# Altium PCB Digital_Optical_18Tx_14Tx4Rx_3vxx.PcbDoc (part 2 of 2)
Units mil, origin at the board's own origin, x right, y up, seen from the top; angles counter-clockwise.
Board outline 6141.5 x 3937.01 mil, 2 copper layers (Top Layer, Bottom Layer); 183 components, 118 nets, 645 pads, 188 vias.
Unrouted connection lines stored in the file: 142.
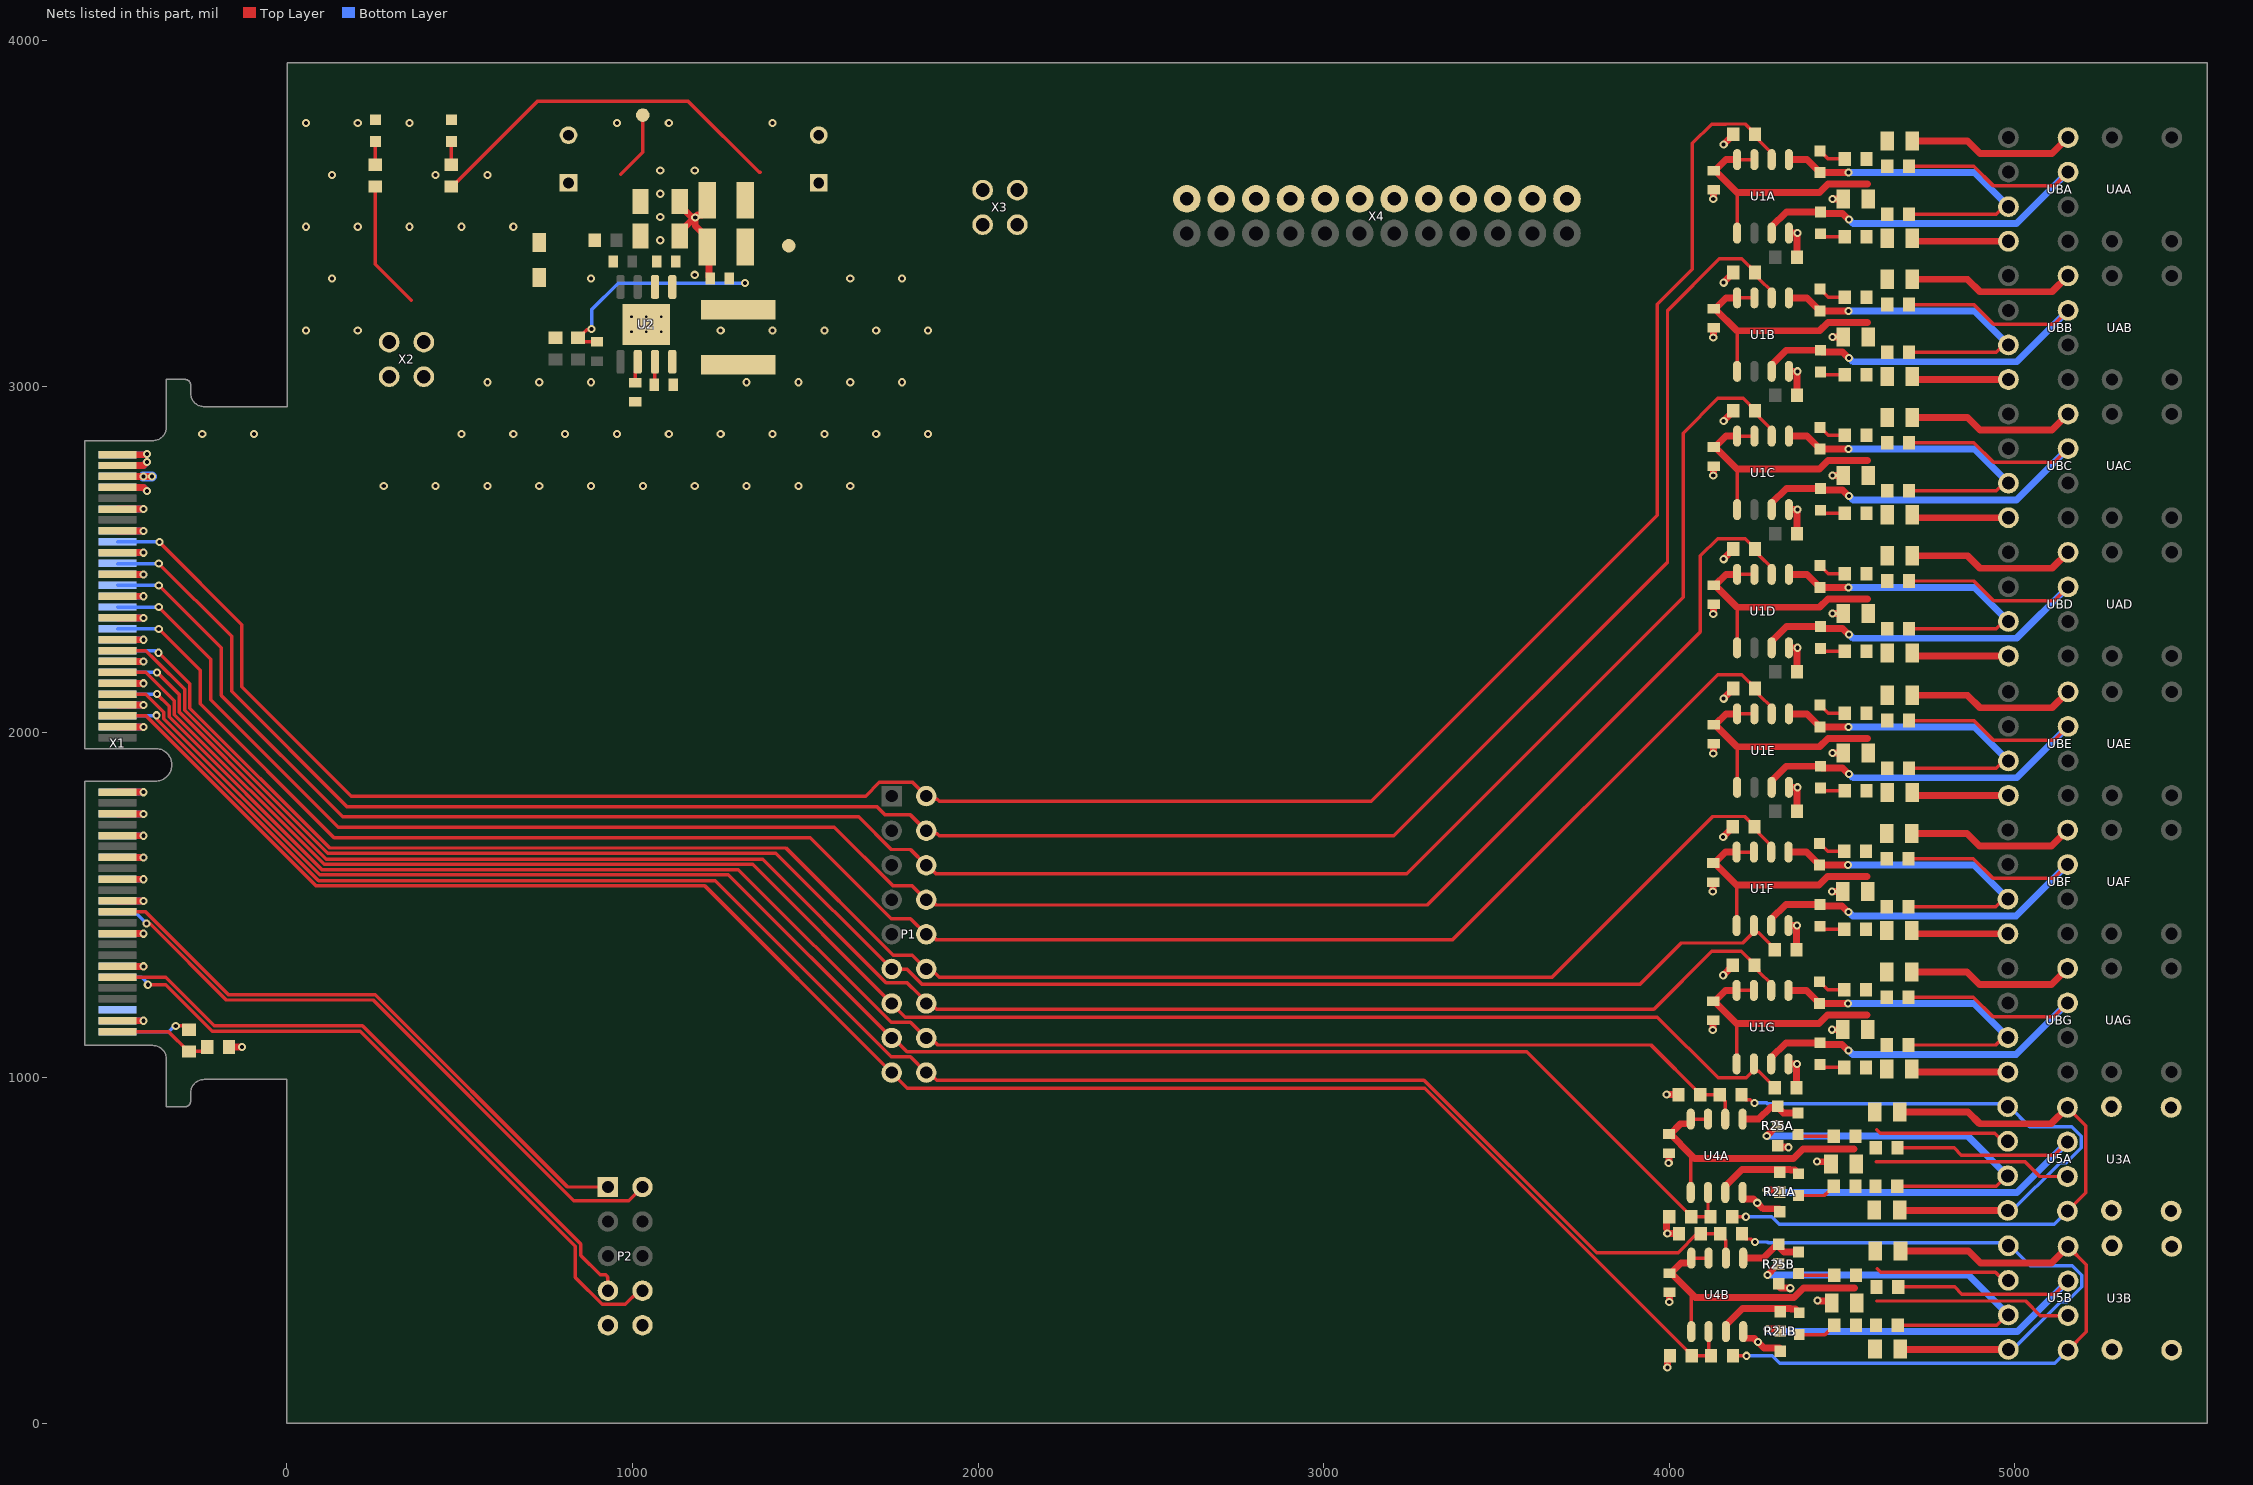
[diagram p2: the nets of this part, all layers, seen from the top]

## Via types
v1: diameter 23.62, hole 11.81, Top Layer to Bottom Layer, tented both sides, 182 vias
v2: diameter 17.72, hole 7.87, Top Layer to Bottom Layer, tented both sides, 6 vias

## Nets (pads, with @x,y where several pads share a name; then routed paths per layer and width w, separated by ;. In a path a pad name is that pad's centre, name@x,y a point inside that pad or via, vN(x,y) a via of type N, cw(c..) or ccw(c..) an arc to the next point about the centre after c; other vN are vias at no path point) (continued)
GATE_A6: P1.11 R8F.2 U1F.2 X1.37 | length 5336.1
  Top Layer w10: X1.37@-489.76,2235.87 -407.73,2235.87 -379.99,2208.13 -295.7,2123.84 -295.7,2063.41 117.87,1649.84 1415.16,1649.84 P1.11@1750,1315 1750.43,1314.57 1794.53,1314.57 1839.1,1270 3914.38,1270 4034.38,1390 4213.19,1390 4244.99,1421.8 U1F.2@4244.99,1425.49 ; U1F.2@4244.99,1440.5 U1F.2@4244.99,1425.49 ; R8F.2@4305.52,1370.94 4305.52,1372.91 4259.23,1419.2 4251.28,1419.2 U1F.2@4244.99,1425.49
GATE_A7: P1.13 R8G.2 U1G.2 X1.41 | length 5357
  Top Layer w10: X1.41@-489.76,2172.87 -488.78,2173.86 -408.59,2173.86 -325.7,2090.96 -325.7,2050.98 107.87,1617.41 1347.59,1617.41 P1.13@1750,1215 1789.53,1175.47 3965.53,1175.47 4141.33,999.68 4223.18,999.68 4244.99,1021.49 U1G.2@4244.99,1025.17 ; U1G.2@4244.99,1040.19 U1G.2@4244.99,1025.17 ; R8G.2@4305.52,970.63 4305.52,972.6 4259.23,1018.88 4251.28,1018.88 U1G.2@4244.99,1025.17
GATE_B1: P1.2 R10A.2 U1A.6 X1.18 | length 6676.8
  Top Layer w10: v1(-368.6,2550) -130,2311.4 -130,2131.06 186.06,1815 1675,1815 1714.53,1854.53 1810.47,1854.53 P1.2@1850,1815 1859.39,1805.61 1882.19,1805.61 1887.8,1800 3137.66,1800 3965,2627.34 3965,3237.76 4067.01,3339.77 4067.01,3704.16 4122.47,3759.62 4163.04,3759.62 4163.2,3759.78 4220.33,3759.78 4248.05,3732.06 R10A.2@4248.05,3730.09 4260.76,3717.38 4260.76,3711.11 4296.37,3675.5 U1A.6@4296.37,3656.8
  Bottom Layer w10: X1.18@-489.76,2550.83 -369.42,2550.83 v1(-368.6,2550)
GATE_B2: P1.4 R10B.2 U1B.6 X1.22 | length 6386.3
  Top Layer w10: v1(-370.65,2487.83) -160,2277.19 -160,2118.63 173.79,1784.84 1706.96,1784.84 1731.33,1760.47 1804.53,1760.47 1859.39,1705.61 1882.19,1705.61 1887.8,1700 3203.13,1700 3995,2491.87 3995,3220 4145,3370 4210.11,3370 4248.05,3332.06 R10B.2@4248.05,3330.09 4260.76,3317.38 4260.76,3311.11 4296.37,3275.5 U1B.6@4296.37,3256.8
  Bottom Layer w10: X1.22@-489.76,2487.83 v1(-370.65,2487.83)
GATE_B3: P1.6 R10C.2 U1C.6 X1.26 | length 6121.9
  Top Layer w10: v1(-370.65,2424.84) -190,2244.2 -190,2106.2 161.36,1754.84 1654.26,1754.84 1748.63,1660.47 1804.53,1660.47 P1.6@1850,1615 1853.27,1615 1878.27,1590 3240,1590 4040,2390 4040,2865 4140.86,2965.86 4214.25,2965.86 4248.05,2932.06 R10C.2@4248.05,2930.09 4260.76,2917.38 4260.76,2911.11 4296.37,2875.5 U1C.6@4296.37,2856.8
  Bottom Layer w10: X1.26@-489.76,2424.84 v1(-370.65,2424.84)
GATE_B4: P1.8 R10D.2 U1D.6 X1.30 | length 5838.4
  Top Layer w10: v1(-370.65,2361.85) -220,2211.2 -220,2093.78 148.94,1724.84 1584.26,1724.84 1754.1,1555 1810,1555 P1.8@1850,1515 1863.27,1515 1878.27,1500 3300,1500 4090,2290 4090,2510 4140,2560 4220.11,2560 4248.05,2532.06 R10D.2@4248.05,2530.09 4260.76,2517.38 4260.76,2511.11 4296.37,2475.5 U1D.6@4296.37,2456.8
  Bottom Layer w10: X1.30@-489.76,2361.85 v1(-370.65,2361.85)
GATE_B5: P1.10 R10E.2 U1E.6 X1.34 | length 5595.3
  Top Layer w10: v1(-370.65,2298.86) -250.7,2178.91 -250.7,2082.05 136.51,1694.84 1514.26,1694.84 1748.63,1460.47 1804.53,1460.47 P1.10@1850,1415 1863.27,1415 1878.27,1400 3373.7,1400 4140,2166.3 4210.11,2166.3 4248.05,2128.36 R10E.2@4248.05,2126.39 4260.76,2113.68 4260.76,2107.41 4296.37,2071.8 U1E.6@4296.37,2053.1
  Bottom Layer w10: X1.34@-489.76,2298.86 v1(-370.65,2298.86)
GATE_B6: P1.12 R10F.2 U1F.6 X1.38 | length 5468.7
  Top Layer w10: v1(-370.96,2229.94) -280.7,2139.68 -280.7,2069.62 124.08,1664.84 1444.26,1664.84 1754.1,1355 1810,1355 P1.12@1850,1315 1863.27,1315 1887.8,1290.47 3660.86,1290.47 4126.46,1756.08 4218.95,1756.08 4246.67,1728.36 R10F.2@4246.67,1726.39 4259.39,1713.68 4259.39,1707.41 4294.99,1671.8 U1F.6@4294.99,1653.1
  Bottom Layer w10: X1.38@-489.76,2235.87 -380.57,2235.87 -374.64,2229.94 v1(-370.96,2229.94)
GATE_B7: P1.14 R10G.2 U1G.6 X1.42 | length 5319.9
  Top Layer w10: v1(-375.58,2172.87) -310.7,2107.99 -310.7,2057.2 -36.75,1783.25 114.09,1632.41 1376.69,1632.41 1733.63,1275.47 1794.53,1275.47 1830,1240 ; P1.14@1850,1215 1863.27,1215 1879.88,1198.39 3955.84,1198.39 4123.43,1365.98 4208.73,1365.98 4246.67,1328.05 R10G.2@4246.67,1326.08 4259.39,1313.36 4259.39,1307.09 4294.99,1271.49 U1G.6@4294.99,1252.79
  Bottom Layer w10: X1.42@-489.76,2172.87 v1(-375.58,2172.87)
GND: C1A.2 C1B.2 C1C.2 C1D.2 C1E.2 C1F.2 C1G.2 C2A.2 C2B.2 C2C.2 C2D.2 C2E.2 C2F.2 C2G.2 C3.2 C5.2 C6.2 C7.2 C8A.2 C8B.2 C9A.2 C9B.2 C12.1 C13.1 C14.2 C15.1 C16.1 C17.1 D6.1 D7.1 P2.9 P2.10 R8A.1 R8B.1 R8C.1 R8D.1 R8E.1 R8F.1 R8G.1 R10A.1 R10B.1 R10C.1 R10D.1 R10E.1 R10F.1 R10G.1 R12.1 R16.1 R20A.1 R20B.1 R21A.3 R21B.3 R25A.3 R25B.3 R27A.1 R27B.1 U1A.4 U1B.4 U1C.4 U1D.4 U1E.4 U1F.4 U1G.4 U2.1 U2.9 U4A.4 U4B.4 X1.1 X1.2 X1.3 X1.4 X1.7 X1.8 X1.11 X1.12 X1.15 X1.16 X1.19 X1.20 X1.23 X1.24 X1.27 X1.28 X1.31 X1.32 X1.35 X1.36 X1.39 X1.40 X1.43 X1.44 X1.47 X1.48 X1.51 X1.52 X1.55 X1.56 X1.59 X1.60 X1.63 X1.64 X1.67 X1.68 X1.71 X1.72 X1.75 X1.76 X1.81 X1.82 X1.87 X1.88 X1.97 X1.98 X2.1 X2.2 X3.1 X3.2 X4.2 X4.4 X4.6 X4.8 X4.10 X4.12 X4.14 X4.16 X4.18 X4.20 X4.22 X4.24 | length 5946.7
  Top Layer w20: X1.97@-489.76,1165 v1(-415,1165) ; X1.87@-489.76,1322.48 v1(-415,1322.48) v1@-412.48,1322.48 ; X1.81@-489.76,1416.97 v1(-415,1416.97) ; X1.75@-489.76,1511.46 v1(-415,1511.46) ; X1.71@-489.76,1574.45 v1(-415,1574.45) ; X1.67@-489.76,1637.44 v1(-415,1637.44) ; X1.63@-489.76,1700.43 v1(-415,1700.43) ; X1.59@-489.76,1763.43 v1(-415,1763.43) ; X1.55@-489.76,1826.42 v1(-415,1826.42) ; X1.51@-489.76,2015.39 v1(-415,2015.39) ; X1.47@-489.76,2078.39 v1(-415,2078.39) ; X1.43@-489.76,2141.38 v1(-415,2141.38) ; X1.39@-489.76,2204.37 v1(-415,2204.37) ; X1.35@-489.76,2267.36 v1(-415,2267.36) ; X1.31@-489.76,2330.35 v1(-415,2330.35) ; X1.27@-489.76,2393.35 v1(-415,2393.35) ; X1.23@-489.76,2456.34 v1(-415,2456.34) ; X1.19@-489.76,2519.33 v1(-415,2519.33) ; X1.15@-489.76,2582.32 v1(-415,2582.32) ; X1.11@-489.76,2645.31 v1(-415,2645.31) ; X1.7@-489.76,2708.31 -415,2708.31 v1(-404.18,2697.49) ; X1.3@-489.76,2771.3 -415,2771.3 v1(-404.18,2782.11) ; X1.1@-489.76,2802.8 v1@-415,2802.8 ; R16.1@-167.36,1088.99 R16.1@-167.36,1088.99 v1@-130.04,1088.95 ; C12.1@1137.5,3435.57 1137.5,3447.58 1178.97,3489.05 1179.28,3489.05 1180.26,3490.03 v1@1180.26,3490.43 ; C13.1@1137.5,3535.57 1137.5,3523.56 1170.62,3490.43 v1@1180.26,3490.43 ; C16.1@1216.39,3539.28 1216.39,3511.72 1200.8,3496.13 1188.32,3496.13 1181.93,3489.74 v1@1180.95,3489.74 ; C15.1@1225.17,3312.56 1222.09,3315.63 1222.09,3397.91 C17.1@1216.39,3403.62 1216.39,3431.18 1181.65,3465.92 v1(1181.65,3489.05) v1@1180.95,3489.74 ; 3992.61,563.59 3992.61,590.15 R20A.1@4000.33,597.87 ; v1(3992.61,951.93) 3993.3,951.24 4025.97,951.24 R27A.1@4026.65,950.56 ; v1(3994.36,161.22) 3994.36,187.77 R20B.1@4002.08,195.49 ; v1(3994.36,549.55) 3995.05,548.87 4027.71,548.87 R27B.1@4028.4,548.18 ; v1(3998.36,753.38) 3998.73,753.75 3998.73,781.87 C9A.2@3999.1,782.24 ; v1(4000.11,351) 4000.47,351.37 4000.47,379.49 C9B.2@4000.84,379.86 ; v1(4125.88,1138.41) 4126.58,1139.1 4126.58,1165.18 C1G.2@4127.42,1166.02 ; v1(4125.88,1538.72) 4126.58,1539.42 4126.58,1565.49 C1F.2@4127.42,1566.33 ; v1(4127.26,1938.72) 4127.95,1939.42 4127.95,1965.49 C1E.2@4128.8,1966.33 ; v1(4127.26,2342.42) 4127.95,2343.12 4127.95,2369.19 C1D.2@4128.8,2370.03 ; v1(4127.26,2742.42) 4127.95,2743.12 4127.95,2769.19 C1C.2@4128.8,2770.03 ; v1(4127.26,3142.42) 4127.95,3143.12 4127.95,3169.19 C1B.2@4128.8,3170.03 ; v1(4127.26,3542.42) 4127.95,3543.12 4127.95,3569.19 C1A.2@4128.8,3570.03 ; v1(4156.12,1296.55) 4183.68,1324.11 R10G.1@4183.68,1326.08 ; v1(4156.12,1696.87) 4183.68,1724.42 R10F.1@4183.68,1726.39 ; v1(4157.5,2096.87) 4185.06,2124.43 R10E.1@4185.06,2126.39 ; v1(4157.5,2500.57) 4185.06,2528.13 R10D.1@4185.06,2530.09 ; v1(4157.5,2900.57) 4185.06,2928.13 R10C.1@4185.06,2930.09 ; v1(4157.5,3300.57) 4185.06,3328.13 R10B.1@4185.06,3330.09 ; v1(4157.5,3700.57) 4185.06,3728.13 R10A.1@4185.06,3730.09 ; U4A.4@4212.16,668.06 4212.16,650.34 4213.83,648.66 4243.25,648.66 4253.7,638.21 v1(4254.68,638.21) 4271.92,620.97 R21A.3@4317.17,620.97 ; U4B.4@4213.9,265.68 4213.9,247.96 4215.58,246.28 4244.99,246.28 4255.44,235.84 v1(4256.42,235.84) 4273.67,218.59 R21B.3@4318.91,218.59 ; R25A.3@4310.43,801.4 4312.32,799.52 4344.3,799.52 v1(4344.99,798.83) ; R25B.3@4318.91,394.76 4321.77,391.9 4349.46,391.9 v1(4350.15,391.2) ; U1G.4@4344.99,1040.19 v1(4369.89,1040.19) 4369.89,1039.21 4368.51,1037.83 R8G.1@4368.51,970.63 ; U1F.4@4344.99,1440.5 v1(4369.89,1440.5) 4369.89,1439.52 4368.51,1438.15 R8F.1@4368.51,1370.94 ; U1E.4@4346.37,1840.5 v1(4371.27,1840.5) 4371.27,1839.52 4369.89,1838.15 R8E.1@4369.89,1770.95 ; U1D.4@4346.37,2244.21 v1(4371.27,2244.21) 4371.27,2243.23 4369.89,2241.85 R8D.1@4369.89,2174.65 ; U1C.4@4346.37,2644.21 v1(4371.27,2644.21) 4371.27,2643.23 4369.89,2641.85 R8C.1@4369.89,2574.65 ; U1B.4@4346.37,3044.21 v1(4371.27,3044.21) 4371.27,3043.23 4369.89,3041.85 R8B.1@4369.89,2974.65 ; U1A.4@4346.37,3444.2 v1(4371.27,3444.2) 4371.27,3443.22 4369.89,3441.85 R8A.1@4369.89,3374.65 ; v1(4427.49,757.58) 4428.02,757.06 4467.57,757.06 C8A.2@4468.1,756.53 ; v1(4429.24,355.2) 4429.76,354.68 4469.32,354.68 C8B.2@4469.84,354.16 ; v1(4471.13,1139.1) C2G.2@4501.64,1139.1 ; v1(4471.13,1539.41) C2F.2@4501.64,1539.42 ; v1(4472.51,1939.42) C2E.2@4503.02,1939.42 ; v1(4472.51,2343.12) C2D.2@4503.02,2343.12 ; v1(4472.51,2743.12) C2C.2@4503.02,2743.12 ; v1(4472.51,3143.12) C2B.2@4503.02,3143.12 ; v1(4472.51,3543.12) C2A.2@4503.02,3543.12 ; v1@-130.04,1088.95 v1(-130,1088.91) ; v1@1180.26,3490.43 v1@1180.95,3489.74
  Bottom Layer w20: X1.98@-489.76,1165 v1(-415,1165) ; X1.88@-489.76,1322.48 v1(-415,1322.48) ; X1.82@-489.76,1416.97 v1(-415,1416.97) ; X1.76@-489.76,1511.46 v1(-415,1511.46) ; X1.72@-489.76,1574.45 v1(-415,1574.45) ; X1.68@-489.76,1637.44 v1(-415,1637.44) ; X1.64@-489.76,1700.43 v1(-415,1700.43) ; X1.60@-489.76,1763.43 v1(-415,1763.43) ; X1.56@-489.76,1826.42 v1(-415,1826.42) ; X1.52@-489.76,2015.39 v1(-415,2015.39) ; X1.48@-489.76,2078.39 v1(-415,2078.39) ; X1.44@-489.76,2141.38 v1(-415,2141.38) ; X1.40@-489.76,2204.37 v1(-415,2204.37) ; X1.36@-489.76,2267.36 v1(-415,2267.36) ; X1.32@-489.76,2330.35 v1(-415,2330.35) ; X1.28@-489.76,2393.35 v1(-415,2393.35) ; X1.24@-489.76,2456.34 v1(-415,2456.34) ; X1.20@-489.76,2519.33 v1(-415,2519.33) ; X1.16@-489.76,2582.32 v1(-415,2582.32) ; X1.12@-489.76,2645.31 v1(-415,2645.31) ; X1.8@-489.76,2708.31 -415,2708.31 v1(-404.18,2697.49) ; X1.4@-489.76,2771.3 -415,2771.3 v1(-404.18,2782.11) ; X1.2@-489.76,2802.8 -407.2,2802.8 v1(-405,2805)
  other v1: 280.28,2712.49 430.28,2712.49 580.28,2712.49 730.28,2712.49 880.28,2712.49 1030.28,2712.49 1180.28,2712.49 1330.28,2712.49 1480.28,2712.49 1630.28,2712.49 -244.72,2862.49 -94.72,2862.49 505.28,2862.49 655.28,2862.49 805.28,2862.49 955.28,2862.49 1105.28,2862.49 1255.28,2862.49 1405.28,2862.49 1555.28,2862.49 1705.28,2862.49 1855.28,2862.49 580.28,3012.49 730.28,3012.49 880.28,3012.49 1330.28,3012.49 1480.28,3012.49 1630.28,3012.49 1780.28,3012.49 55.28,3162.49 205.28,3162.49 1255.28,3162.49 1405.28,3162.49 1555.28,3162.49 1705.28,3162.49 1855.28,3162.49 130.28,3312.49 880.28,3312.49 1630.28,3312.49 1780.28,3312.49 1180.28,3323.39 1080.41,3423.3 55.28,3462.49 205.28,3462.49 355.28,3462.49 505.28,3462.49 655.28,3462.49 1080.41,3490.67 1080.41,3558.04 130.28,3612.49 430.28,3612.49 580.28,3612.49 1080.53,3625.41 1180.28,3625.41 55.28,3762.49 205.28,3762.49 355.28,3762.49 955.28,3762.49 1105.28,3762.49 1405.28,3762.49
  other v2: 996.98,3158.4 1040.29,3158.4 1083.6,3158.4 996.98,3201.71 1040.29,3201.71 1083.6,3201.71
I2C0_SCA: P2.8 X1.90 | length 1982.9
  Top Layer w10: v1(-402.33,1269.17) -350.88,1269.17 -278.2,1196.5 -277.65,1196.5 -216.15,1135 212.72,1135 835,512.72 835,422.1 912.63,344.47 979.47,344.47 1019,384 P2.8@1029,384
  Bottom Layer w10: X1.90@-489.76,1290.98 -419.65,1290.98 -404.94,1276.28 -404.94,1271.78 v1(-402.33,1269.17)
I2C0_SCL: P2.7 X1.89 | length 1837
  Top Layer w10: X1.89@-489.76,1290.98 -350.92,1290.98 -209.94,1150 218.93,1150 850,518.93 850,485.89 906.41,429.47 923.14,429.47 929,423.61 P2.7@929,384
NetC4_2: C4.2 U2.7 | length 67.2
  Top Layer w10: C4.2@1063.6,3005.31 1064.44,3006.16 1064.44,3070.94 U2.7@1065.29,3071.79
NetC7_1: C7.1 U2.6 | length 63.5
  Top Layer w10: C7.1@1008.29,3011.22 1008.29,3041.66 1015.29,3048.66 U2.6@1015.29,3071.79
NetD1A_1: D1A.1 R7A.1 U1A.3 UAA.2 | length 1470.2
  Top Layer w10: R7A.1@4693.5,3637.39 4881.37,3637.39 4938.26,3580.5 5114.13,3580.5 UAA.2@5154.13,3620.5
  Top Layer w20: U1A.3@4296.37,3444.2 4296.37,3462.91 4338.69,3505.23 D1A.1@4437.67,3505.23 4442.34,3500.56 4501.57,3500.56 4519.02,3483.11 v1(4520,3483.11)
  Bottom Layer w20: v1(4520,3483.11) 4520.98,3483.11 4532.33,3471.76 5005.39,3471.76 UAA.2@5154.13,3620.5
NetD1A_2: D1A.2 R1A.1 | length 73.7
  Top Layer w10: D1A.2@4437.67,3442.24 4446.06,3433.85 R1A.1@4507.94,3433.85
NetD1B_1: D1B.1 R7B.1 U1B.3 UAB.2 | length 1470.2
  Top Layer w10: R7B.1@4693.5,3237.39 4881.37,3237.39 4938.26,3180.5 5114.13,3180.5 UAB.2@5154.13,3220.5
  Top Layer w20: U1B.3@4296.37,3044.21 4296.37,3062.91 4338.69,3105.23 D1B.1@4437.67,3105.23 4442.34,3100.56 4501.57,3100.56 4519.02,3083.11 v1(4520,3083.11)
  Bottom Layer w20: v1(4520,3083.11) 4520.98,3083.11 4532.33,3071.76 5005.39,3071.76 UAB.2@5154.13,3220.5
NetD1B_2: D1B.2 R1B.1 | length 73.7
  Top Layer w10: D1B.2@4437.67,3042.24 4446.06,3033.85 R1B.1@4507.94,3033.85
NetD1C_1: D1C.1 R7C.1 U1C.3 UAC.2 | length 1470.2
  Top Layer w10: R7C.1@4693.5,2837.39 4881.37,2837.39 4938.26,2780.5 5114.13,2780.5 UAC.2@5154.13,2820.5
  Top Layer w20: U1C.3@4296.37,2644.21 4296.37,2662.91 4338.69,2705.23 D1C.1@4437.67,2705.23 4442.34,2700.56 4501.57,2700.56 4519.02,2683.11 v1(4520,2683.11)
  Bottom Layer w20: v1(4520,2683.11) 4520.98,2683.11 4532.33,2671.76 5005.39,2671.76 UAC.2@5154.13,2820.5
NetD1C_2: D1C.2 R1C.1 | length 73.7
  Top Layer w10: D1C.2@4437.67,2642.24 4446.06,2633.85 R1C.1@4507.94,2633.85
NetD1D_1: D1D.1 R7D.1 U1D.3 UAD.2 | length 1470.2
  Top Layer w10: R7D.1@4693.5,2437.39 4881.37,2437.39 4938.26,2380.5 5114.13,2380.5 UAD.2@5154.13,2420.5
  Top Layer w20: U1D.3@4296.37,2244.21 4296.37,2262.91 4338.69,2305.23 D1D.1@4437.67,2305.23 4442.34,2300.56 4501.57,2300.56 4519.02,2283.11 v1(4520,2283.11)
  Bottom Layer w20: v1(4520,2283.11) 4520.98,2283.11 4532.33,2271.76 5005.39,2271.76 UAD.2@5154.13,2420.5
NetD1D_2: D1D.2 R1D.1 | length 73.7
  Top Layer w10: D1D.2@4437.67,2242.24 4446.06,2233.85 R1D.1@4507.94,2233.85
NetD1E_1: D1E.1 R7E.1 U1E.3 UAE.2 | length 1470.2
  Top Layer w10: R7E.1@4693.5,2033.69 4881.37,2033.69 4938.26,1976.8 5114.13,1976.8 UAE.2@5154.13,2016.8
  Top Layer w20: U1E.3@4296.37,1840.5 4296.37,1859.21 4338.69,1901.53 D1E.1@4437.67,1901.53 4442.34,1896.86 4501.57,1896.86 4519.02,1879.41 v1(4520,1879.41)
  Bottom Layer w20: v1(4520,1879.41) 4520.98,1879.41 4532.33,1868.06 5005.39,1868.06 UAE.2@5154.13,2016.8
NetD1E_2: D1E.2 R1E.1 | length 73.7
  Top Layer w10: D1E.2@4437.67,1838.54 4446.06,1830.15 R1E.1@4507.94,1830.15
NetD1F_1: D1F.1 R7F.1 U1F.3 UAF.2 | length 1470.2
  Top Layer w10: R7F.1@4692.13,1633.69 4880,1633.69 4936.89,1576.8 5112.75,1576.8 UAF.2@5152.75,1616.8
  Top Layer w20: U1F.3@4294.99,1440.5 4294.99,1459.2 4337.31,1501.53 D1F.1@4436.29,1501.53 4440.96,1496.86 4500.2,1496.86 4517.64,1479.41 v1(4518.62,1479.41)
  Bottom Layer w20: v1(4518.62,1479.41) 4519.6,1479.41 4530.95,1468.06 5004.01,1468.06 UAF.2@5152.75,1616.8
NetD1F_2: D1F.2 R1F.1 | length 73.7
  Top Layer w10: D1F.2@4436.29,1438.54 4444.68,1430.15 R1F.1@4506.56,1430.15
NetD1G_1: D1G.1 R7G.1 U1G.3 UAG.2 | length 1470.2
  Top Layer w10: R7G.1@4692.13,1233.38 4880,1233.38 4936.89,1176.49 5112.75,1176.49 UAG.2@5152.75,1216.49
  Top Layer w20: U1G.3@4294.99,1040.19 4294.99,1058.89 4337.31,1101.21 D1G.1@4436.29,1101.21 4440.96,1096.54 4500.2,1096.54 4517.64,1079.1 v1(4518.62,1079.1)
  Bottom Layer w20: v1(4518.62,1079.1) 4519.6,1079.1 4530.95,1067.75 5004.01,1067.75 UAG.2@5152.75,1216.49
NetD1G_2: D1G.2 R1G.1 | length 73.7
  Top Layer w10: D1G.2@4436.29,1038.22 4444.68,1029.83 R1G.1@4506.56,1029.83
NetD2A_1: D2A.1 R9A.1 U1A.5 UBA.2 | length 988.3
  Top Layer w10: R9A.1@4693.5,3498.85 4946.19,3498.85 4967.84,3520.5 UBA.2@4981.37,3520.5
  Top Layer w20: U1A.5@4346.37,3656.8 4398.57,3656.8 D2A.1@4436.37,3619.01 v1(4519.02,3619.01)
  Bottom Layer w20: v1(4519.02,3619.01) 4882.87,3619.01 UBA.2@4981.37,3520.5
NetD2A_2: D2A.2 R3A.2 | length 81.3
  Top Layer w10: D2A.2@4436.37,3682 4459.75,3658.62 R3A.2@4507.94,3658.62
NetD2B_1: D2B.1 R9B.1 U1B.5 UBB.2 | length 988.3
  Top Layer w10: R9B.1@4693.5,3098.85 4946.19,3098.85 4967.84,3120.5 UBB.2@4981.37,3120.5
  Top Layer w20: U1B.5@4346.37,3256.8 4398.57,3256.8 D2B.1@4436.37,3219.01 v1(4519.02,3219.01)
  Bottom Layer w20: v1(4519.02,3219.01) 4882.87,3219.01 UBB.2@4981.37,3120.5
NetD2B_2: D2B.2 R3B.2 | length 81.3
  Top Layer w10: D2B.2@4436.37,3282 4459.75,3258.62 R3B.2@4507.94,3258.62
NetD2C_1: D2C.1 R9C.1 U1C.5 UBC.2 | length 988.3
  Top Layer w10: R9C.1@4693.5,2698.85 4946.19,2698.85 4967.84,2720.5 UBC.2@4981.37,2720.5
  Top Layer w20: U1C.5@4346.37,2856.8 4398.57,2856.8 D2C.1@4436.37,2819.01 v1(4519.02,2819.01)
  Bottom Layer w20: v1(4519.02,2819.01) 4882.87,2819.01 UBC.2@4981.37,2720.5
NetD2C_2: D2C.2 R3C.2 | length 81.3
  Top Layer w10: D2C.2@4436.37,2882 4459.75,2858.62 R3C.2@4507.94,2858.62
NetD2D_1: D2D.1 R9D.1 U1D.5 UBD.2 | length 988.3
  Top Layer w10: R9D.1@4693.5,2298.85 4946.19,2298.85 4967.84,2320.5 UBD.2@4981.37,2320.5
  Top Layer w20: U1D.5@4346.37,2456.8 4398.57,2456.8 D2D.1@4436.37,2419.01 v1(4519.02,2419.01)
  Bottom Layer w20: v1(4519.02,2419.01) 4882.87,2419.01 UBD.2@4981.37,2320.5
NetD2D_2: D2D.2 R3D.2 | length 81.3
  Top Layer w10: D2D.2@4436.37,2482 4459.75,2458.62 R3D.2@4507.94,2458.62
NetD2E_1: D2E.1 R9E.1 U1E.5 UBE.2 | length 988.3
  Top Layer w10: R9E.1@4693.5,1895.15 4946.19,1895.15 4967.84,1916.8 UBE.2@4981.37,1916.8
  Top Layer w20: U1E.5@4346.37,2053.1 4398.57,2053.1 D2E.1@4436.37,2015.31 v1(4519.02,2015.31)
  Bottom Layer w20: v1(4519.02,2015.31) 4882.87,2015.31 UBE.2@4981.37,1916.8
NetD2E_2: D2E.2 R3E.2 | length 81.3
  Top Layer w10: D2E.2@4436.37,2078.3 4459.75,2054.92 R3E.2@4507.94,2054.92
NetD2F_1: D2F.1 R9F.1 U1F.5 UBF.2 | length 988.3
  Top Layer w10: R9F.1@4692.13,1495.15 4944.81,1495.15 4966.47,1516.8 UBF.2@4980,1516.8
  Top Layer w20: U1F.5@4344.99,1653.1 4397.2,1653.1 D2F.1@4434.99,1615.31 v1(4517.64,1615.31)
  Bottom Layer w20: v1(4517.64,1615.31) 4881.49,1615.31 UBF.2@4980,1516.8
NetD2F_2: D2F.2 R3F.2 | length 81.3
  Top Layer w10: D2F.2@4434.99,1678.3 4458.37,1654.92 R3F.2@4506.56,1654.92
NetD2G_1: D2G.1 R9G.1 U1G.5 UBG.2 | length 988.3
  Top Layer w10: R9G.1@4692.13,1094.83 4944.81,1094.83 4966.47,1116.49 UBG.2@4980,1116.49
  Top Layer w20: U1G.5@4344.99,1252.79 4397.2,1252.79 D2G.1@4434.99,1214.99 v1(4517.64,1214.99)
  Bottom Layer w20: v1(4517.64,1214.99) 4881.49,1214.99 UBG.2@4980,1116.49
NetD2G_2: D2G.2 R3G.2 | length 81.3
  Top Layer w10: D2G.2@4434.99,1277.98 4458.37,1254.6 R3G.2@4506.56,1254.6
NetD3A_1: D3A.1 R21A.1 U4A.3 | length 256.4
  Top Layer w20: U4A.3@4162.16,668.06 4162.16,686.76 4210.54,735.14 4317.17,735.14 4348.9,735.14 4350.92,733.12 4363.8,733.12 D3A.1@4374.54,722.37
NetD3A_2: D3A.2 R11A.2 | length 113.8
  Top Layer w10: D3A.2@4374.54,659.38 4448.99,659.38 4461.28,671.67 4463.25,671.67 4475.97,684.39 R11A.2@4475.97,686.35
NetD3B_1: D3B.1 R21B.1 U4B.3 | length 256.4
  Top Layer w20: U4B.3@4163.9,265.68 4163.9,284.38 4212.29,332.76 4318.91,332.76 4350.64,332.76 4352.67,330.74 4365.54,330.74 D3B.1@4376.29,319.99
NetD3B_2: D3B.2 R11B.2 | length 113.8
  Top Layer w10: D3B.2@4376.29,257 4450.74,257 4463.03,269.29 4465,269.29 4477.71,282.01 R11B.2@4477.71,283.98
NetD4A_1: D4A.1 R25A.1 U4A.5 | length 182.4
  Top Layer w20: U4A.5@4212.16,880.65 4258.93,880.65 4292.85,914.58 4310.43,914.58 R25A.1@4317.17,921.31 ; R25A.1@4317.17,911.31 4329.94,898.54 D4A.1@4372.4,898.54
NetD4A_2: D4A.2 R22A.2 | length 105.3
  Top Layer w10: D4A.2@4372.4,835.54 4376.64,831.31 R22A.2@4475.97,831.31
NetD4B_1: D4B.1 R25B.1 U4B.5 | length 182.4
  Top Layer w20: U4B.5@4213.9,478.28 4272.51,478.28 4306.43,512.2 4312.18,512.2 R25B.1@4318.91,518.93 ; R25B.1@4318.91,508.93 4331.68,496.16 D4B.1@4374.15,496.16
NetD4B_2: D4B.2 R22B.2 | length 105.3
  Top Layer w10: D4B.2@4374.15,433.17 4378.38,428.93 R22B.2@4477.71,428.93
NetD6_2: D6.2 R17.1 | length 67
  Top Layer w10: R17.1@256.24,3642 D6.2@256.24,3709.01
NetD7_2: D7.2 R18.1 | length 67
  Top Layer w10: R18.1@476.24,3642 D7.2@476.24,3709.01
NetR2A_2: R2A.2 UAA.1 | length 484.8
  Top Layer w20: R2A.2@4703.44,3710.5 4863.03,3710.5 4899.17,3674.37 5107.99,3674.37 UAA.1@5154.13,3720.5
NetR2B_2: R2B.2 UAB.1 | length 484.8
  Top Layer w20: R2B.2@4703.44,3310.5 4863.03,3310.5 4899.17,3274.37 5107.99,3274.37 UAB.1@5154.13,3320.5
NetR2C_2: R2C.2 UAC.1 | length 484.8
  Top Layer w20: R2C.2@4703.44,2910.5 4863.03,2910.5 4899.17,2874.37 5107.99,2874.37 UAC.1@5154.13,2920.5
NetR2D_2: R2D.2 UAD.1 | length 484.8
  Top Layer w20: R2D.2@4703.44,2510.5 4863.03,2510.5 4899.17,2474.37 5107.99,2474.37 UAD.1@5154.13,2520.5
NetR2E_2: R2E.2 UAE.1 | length 484.8
  Top Layer w20: R2E.2@4703.44,2106.8 4863.03,2106.8 4899.17,2070.67 5107.99,2070.67 UAE.1@5154.13,2116.8
NetR2F_2: R2F.2 UAF.1 | length 484.8
  Top Layer w20: R2F.2@4702.06,1706.8 4861.66,1706.8 4897.79,1670.67 5106.61,1670.67 UAF.1@5152.75,1716.8
NetR2G_2: R2G.2 UAG.1 | length 484.8
  Top Layer w20: R2G.2@4702.06,1306.49 4861.66,1306.49 4897.79,1270.35 5106.61,1270.35 UAG.1@5152.75,1316.49
NetR4A_2: R4A.2 UBA.1 | length 274
  Top Layer w20: R4A.2@4703.44,3429.2 4712.14,3420.5 UBA.1@4973.8,3420.5
NetR4B_2: R4B.2 UBB.1 | length 274
  Top Layer w20: R4B.2@4703.44,3029.2 4712.14,3020.5 UBB.1@4973.8,3020.5
NetR4C_2: R4C.2 UBC.1 | length 274
  Top Layer w20: R4C.2@4703.44,2629.2 4712.14,2620.5 UBC.1@4973.8,2620.5
NetR4D_2: R4D.2 UBD.1 | length 274
  Top Layer w20: R4D.2@4703.44,2229.2 4712.14,2220.5 UBD.1@4973.8,2220.5
NetR4E_2: R4E.2 UBE.1 | length 274
  Top Layer w20: R4E.2@4703.44,1825.5 4712.14,1816.8 UBE.1@4973.8,1816.8
NetR4F_2: R4F.2 UBF.1 | length 274
  Top Layer w20: R4F.2@4702.06,1425.5 4710.76,1416.8 UBF.1@4972.42,1416.8
NetR4G_2: R4G.2 UBG.1 | length 274
  Top Layer w20: R4G.2@4702.06,1025.19 4710.76,1016.49 UBG.1@4972.42,1016.49
NetR13A_2: R13A.2 R14A.1 U3A.1 U3A.4 | length 1856.8
  Top Layer w10: R14A.1@4182.38,597.87 v1(4221.59,597.87) ; U3A.4@5152.16,614.31 5205,667.15 5205,861.47 U3A.1@5152.16,914.31
  Top Layer w20: R13A.2@4667.46,901.31 4864.06,901.31 4898.41,866.95 5104.8,866.95 U3A.1@5152.16,914.31
  Bottom Layer w10: v1(4221.59,597.87) 4296.59,597.87 4318.15,576.31 5114.16,576.31 U3A.4@5152.16,614.31
NetR13B_2: R13B.2 R14B.1 U3B.1 U3B.4 | length 1856.8
  Top Layer w10: R14B.1@4184.12,195.49 v1(4223.33,195.49) ; U3B.4@5153.9,211.93 5206.74,264.77 5206.74,459.09 U3B.1@5153.9,511.93
  Top Layer w20: R13B.2@4669.2,498.93 4865.8,498.93 4900.16,464.58 5106.55,464.58 U3B.1@5153.9,511.93
  Bottom Layer w10: v1(4223.33,195.49) 4298.33,195.49 4319.9,173.93 5115.9,173.93 U3B.4@5153.9,211.93
NetR15_1: R15.1 R16.2 X1.99 | length 288.5
  Top Layer w10: X1.99@-489.76,1133.5 -342.35,1133.5 -285.04,1076.2 R15.1@-283.08,1076.2 -243.07,1076.2 -230.35,1088.91 R16.2@-230.35,1088.99
NetR19A_1: R19A.1 R21A.2 U3A.2 | length 1485.2
  Top Layer w10: R21A.2@4314.21,675.1 R21A.2@4317.17,678.06 ; R19A.1@4660.63,797.13 4824.25,797.13 4845.07,776.31 5114.16,776.31 U3A.2@5152.16,814.31
  Top Layer w20: v1(4282.16,675.1) R21A.2@4314.21,675.1
  Bottom Layer w20: v1(4282.16,675.1) 4283.14,675.1 4289.7,668.54 5006.39,668.54 U3A.2@5152.16,814.31
NetR19B_1: R19B.1 R21B.2 U3B.2 | length 1485.2
  Top Layer w10: R21B.2@4315.95,272.72 R21B.2@4318.91,275.68 ; R19B.1@4662.37,394.76 4825.99,394.76 4846.82,373.93 5115.9,373.93 U3B.2@5153.9,411.93
  Top Layer w20: v1(4283.91,272.72) R21B.2@4315.95,272.72
  Bottom Layer w20: v1(4283.91,272.72) 4284.89,272.72 4291.45,266.16 5008.14,266.16 U3B.2@5153.9,411.93
NetR23A_2: R23A.2 R26A.1 U5A.1 U5A.4 | length 1668.6
  Top Layer w10: R26A.1@4208.87,950.56 4208.87,948.59 4221.59,935.88 4234.18,935.88 4242.84,927.22 v1(4246.53,927.22) ; R23A.2@4666.47,617.87 R23A.2@4668.03,616.31
  Top Layer w20: R23A.2@4668.03,616.31 U5A.1@4979.41,616.31
  Bottom Layer w10: v1(4246.53,927.22) 4281.53,927.22 4284.13,924.61 4971.1,924.61 U5A.4@4979.41,916.31 4984.92,916.31 5042.52,858.7 5164.33,858.7 5192.16,830.88 5192.16,797.74 5148.73,754.31 5130.79,754.31 4992.79,616.31 U5A.1@4979.41,616.31
NetR23B_2: R23B.2 R26B.1 U5B.1 U5B.4 | length 1668.6
  Top Layer w10: R26B.1@4210.62,548.18 4210.62,546.21 4223.33,533.5 4235.93,533.5 4244.59,524.84 v1(4248.27,524.84) ; R23B.2@4668.22,215.49 R23B.2@4669.78,213.93
  Top Layer w20: R23B.2@4669.78,213.93 U5B.1@4981.15,213.93
  Bottom Layer w10: v1(4248.27,524.84) 4283.27,524.84 4285.88,522.23 4972.85,522.23 U5B.4@4981.15,513.93 4986.66,513.93 5044.27,456.32 5166.08,456.32 5193.9,428.5 5193.9,395.36 5150.47,351.93 5132.54,351.93 4994.54,213.93 U5B.1@4981.15,213.93
NetR24A_1: R24A.1 R25A.2 U5A.2 | length 1125.7
  Top Layer w10: R24A.1@4659.58,686.35 4945.72,686.35 4975.67,716.31 U5A.2@4979.41,716.31
  Top Layer w20: v1(4282.16,831.98) 4307.67,857.49 4310.43,857.49 R25A.2@4317.17,864.22
  Bottom Layer w20: v1(4282.16,831.98) 4863.73,831.98 U5A.2@4979.41,716.31
NetR24B_1: R24B.1 R25B.2 U5B.2 | length 1125.7
  Top Layer w10: R24B.1@4661.33,283.98 4947.46,283.98 4977.42,313.93 U5B.2@4981.15,313.93
  Top Layer w20: v1(4283.91,429.6) 4309.41,455.11 4312.18,455.11 R25B.2@4318.91,461.84
  Bottom Layer w20: v1(4283.91,429.6) 4865.48,429.6 U5B.2@4981.15,313.93
NetU3A_5: U3A.5
NetU3A_8: U3A.8
NetU3B_5: U3B.5
NetU3B_8: U3B.8
NetU5A_5: U5A.5
NetU5A_8: U5A.8
NetU5B_5: U5B.5
NetU5B_8: U5B.8
NetX1_96: X1.96
PILOT_IN: R15.2 X1.100 | length 218
  Top Layer w10: v1(-321.38,1150) -293.89,1150 R15.2@-283.08,1139.19
  Bottom Layer w10: X1.100@-489.76,1133.5 -341.56,1133.5 -325.06,1150 v1(-321.38,1150)
PS_DIG_GPIO_01: P2.1 X1.77 | length 1748.5
  Top Layer w10: X1.77@-489.76,1479.96 -408.89,1479.96 -168.93,1240 256.21,1240 812.21,684 P2.1@929,684
PS_DIG_GPIO_02: P2.2 X1.78 | length 1881.2
  Top Layer w10: v1(-406.5,1446.72) -403.89,1444.11 -394.26,1444.11 -175.15,1225 250,1225 830.53,644.47 989.47,644.47 P2.2@1029,684
  Bottom Layer w10: X1.78@-489.76,1479.96 -484.29,1474.49 -434.27,1474.49 v1(-406.5,1446.72)
Signal_A1: P1.15 R14A.2 R20A.2 U4A.2 X1.45 | length 5316.1
  Top Layer w10: X1.45@-489.76,2109.88 -407.76,2109.88 -355.7,2057.82 -355.7,2038.56 95.45,1587.41 1277.59,1587.41 P1.15@1750,1115 ; P1.15@1755,1115 1794.53,1075.47 3587.69,1075.47 4063.32,599.83 R20A.2@4063.32,597.87 R14A.2@4119.39,597.87 4112.16,605.1 U4A.2@4112.16,668.06
Signal_A2: P1.17 R14B.2 R20B.2 U4B.2 X1.49 | length 5452.1
  Top Layer w10: X1.49@-489.76,2046.89 -406.46,2046.89 85.43,1555 1210,1555 P1.17@1750,1015 1795,970 3292.53,970 4065.07,197.46 R20B.2@4065.07,195.49 R14B.2@4121.13,195.49 4113.9,202.72 U4B.2@4113.9,265.68
Signal_B1: P1.16 R26A.2 R27A.2 U4A.6 X1.46 | length 5211.5
  Top Layer w10: v1(-375.58,2110) -340.7,2075.12 -340.7,2044.77 101.66,1602.41 1306.69,1602.41 1748.63,1160.47 1804.53,1160.47 P1.16@1850,1115 1863.27,1115 1883.44,1094.83 3947.34,1094.83 4089.65,952.52 R27A.2@4089.65,950.56 R26A.2@4145.88,950.56 4145.88,948.59 4162.16,932.32 U4A.6@4162.16,880.65
  Bottom Layer w10: X1.46@-489.76,2109.88 -375.7,2109.88 v1(-375.58,2110)
Signal_B2: P1.18 R26B.2 R27B.2 U4B.6 X1.50 | length 5387.2
  Top Layer w10: v1(-377.51,2048.79) -374.9,2046.18 -374.9,2036.55 91.65,1570 1239.1,1570 1748.63,1060.47 1804.53,1060.47 P1.18@1850,1015 1858.71,1015 1880.39,993.33 3290.41,993.33 3790.03,493.71 4025.48,493.71 4079.95,548.18 R27B.2@4091.39,548.18 R26B.2@4147.63,548.18 4147.63,546.21 4163.9,529.94 U4B.6@4163.9,478.28
  Bottom Layer w10: X1.50@-489.76,2046.89 -488.82,2047.84 -378.46,2047.84 v1(-377.51,2048.79)
SW: C4.1 L2.1 U2.8
VCC: C1A.1 C1B.1 C1C.1 C1D.1 C1E.1 C1F.1 C1G.1 C2A.1 C2B.1 C2C.1 C2D.1 C2E.1 C2F.1 C2G.1 C3.1 C8A.1 C8B.1 C9A.1 C9B.1 C11.2 C15.2 C16.2 C17.2 L2.2 R1A.2 R1B.2 R1C.2 R1D.2 R1E.2 R1F.2 R1G.2 R2A.1 R2B.1 R2C.1 R2D.1 R2E.1 R2F.1 R2G.1 R3A.1 R3B.1 R3C.1 R3D.1 R3E.1 R3F.1 R3G.1 R4A.1 R4B.1 R4C.1 R4D.1 R4E.1 R4F.1 R4G.1 R6.2 R7A.2 R7B.2 R7C.2 R7D.2 R7E.2 R7F.2 R7G.2 R9A.2 R9B.2 R9C.2 R9D.2 R9E.2 R9F.2 R9G.2 R11A.1 R11B.1 R13A.1 R13B.1 R18.2 R19A.2 R19B.2 R22A.1 R22B.1 R23A.1 R23B.1 R24A.2 R24B.2 TP9.1 U1A.1 U1A.7 U1A.8 U1B.1 U1B.7 U1B.8 U1C.1 U1C.7 U1C.8 U1D.1 U1D.7 U1D.8 U1E.1 U1E.7 U1E.8 U1F.1 U1F.7 U1F.8 U1G.1 U1G.7 U1G.8 U3A.3 U3B.3 U4A.1 U4A.7 U4A.8 U4B.1 U4B.7 U4B.8 U5A.3 U5B.3 X3.3 X3.4 | length 10361.4
  Top Layer w10: R18.2@476.24,3579.01 478.2,3579.01 724.2,3825 1161.51,3825 1366.51,3620 1370,3620 ; R6.2@842.42,3141.02 R6.2@844.39,3141.02 ; v1(881.61,3166.57) 879,3163.97 867.33,3163.97 R6.2@844.39,3141.02 ; C11.2@897.36,3129.06 856.35,3129.06 R6.2@844.39,3141.02 ; C9A.1@3999.1,837.35 C9A.1@4003.03,837.35 ; C9B.1@4000.84,434.98 C9B.1@4004.78,434.98 ; U4A.8@4055.87,866.95 4062.16,873.25 U4A.8@4062.16,880.65 U4A.7@4112.16,880.65 ; U4B.8@4057.61,464.58 4063.9,470.87 U4B.8@4063.9,478.28 U4B.7@4113.9,478.28 ; U4A.1@4062.16,668.06 4062.16,778.23 ; U4B.1@4063.9,265.68 4063.9,375.85 ; C1G.1@4127.42,1221.13 C1G.1@4131.35,1221.13 ; C1F.1@4127.42,1621.45 C1F.1@4131.35,1621.45 ; C1E.1@4128.8,2021.45 C1E.1@4132.73,2021.45 ; C1D.1@4128.8,2425.15 C1D.1@4132.73,2425.15 ; C1C.1@4128.8,2825.15 C1C.1@4132.73,2825.15 ; C1B.1@4128.8,3225.15 C1B.1@4132.73,3225.15 ; C1A.1@4128.8,3625.15 C1A.1@4132.73,3625.15 ; U1G.1@4194.99,1040.19 4194.99,1157.5 ; U1G.8@4194.99,1252.79 U1G.7@4244.99,1252.79 ; U1F.1@4194.99,1440.5 4194.99,1557.81 ; U1F.8@4194.99,1653.1 U1F.7@4244.99,1653.1 ; U1E.1@4196.37,1840.5 4196.37,1957.81 ; U1E.8@4196.37,2053.1 U1E.7@4246.37,2053.1 ; U1D.1@4196.37,2244.21 4196.37,2361.51 ; U1D.8@4196.37,2456.8 U1D.7@4246.37,2456.8 ; U1C.1@4196.37,2644.21 4196.37,2761.51 ; U1C.8@4196.37,2856.8 U1C.7@4246.37,2856.8 ; U1B.1@4196.37,3044.21 4196.37,3161.51 ; U1B.8@4196.37,3256.8 U1B.7@4246.37,3256.8 ; U1A.1@4196.37,3444.2 4196.37,3561.51 ; U1A.8@4196.37,3656.8 U1A.7@4246.37,3656.8 ; 4534.39,794.09 4534.55,793.93 ; 4536.14,391.72 4536.29,391.56 ; 4599.25,756.53 5029.51,756.53 5071.73,714.31 U3A.3@5152.16,714.31 ; 4600,850 4609.98,840.02 4942.17,840.02 4965.88,816.31 U5A.3@4979.41,816.31 ; 4600.99,354.16 5031.25,354.16 5073.48,311.93 U3B.3@5153.9,311.93 ; 4601.74,447.62 4611.73,437.64 4943.91,437.64 4967.62,413.93 U5B.3@4981.15,413.93
  Top Layer w20: U4A.8@4055.87,866.95 4032.63,866.95 4003.03,837.35 4062.16,778.23 4073.51,766.87 4337.19,766.87 4337.3,766.77 4359.51,766.77 4386.83,794.09 4534.39,794.09 ; U4B.8@4057.61,464.58 4034.38,464.58 4004.78,434.98 4063.9,375.85 4075.26,364.5 4338.94,364.5 4339.04,364.39 4361.25,364.39 4388.58,391.72 4536.14,391.72 ; U1G.8@4194.99,1252.79 4163.01,1252.79 4131.35,1221.13 4194.99,1157.5 4433.44,1157.5 4457.61,1181.66 4572.49,1181.66 ; U1F.8@4194.99,1653.1 4163.01,1653.1 4131.35,1621.45 4194.99,1557.81 4433.44,1557.81 4457.61,1581.97 4572.49,1581.97 ; U1E.8@4196.37,2053.1 4164.39,2053.1 4132.73,2021.45 4196.37,1957.81 4434.82,1957.81 4458.98,1981.98 4573.87,1981.98 ; U1D.8@4196.37,2456.8 4164.39,2456.8 4132.73,2425.15 4196.37,2361.51 4434.82,2361.51 4458.98,2385.68 4573.87,2385.68 ; U1C.8@4196.37,2856.8 4164.39,2856.8 4132.73,2825.15 4196.37,2761.51 4434.82,2761.51 4458.98,2785.68 4573.87,2785.68 ; U1B.8@4196.37,3256.8 4164.39,3256.8 4132.73,3225.15 4196.37,3161.51 4434.82,3161.51 4458.98,3185.68 4573.87,3185.68 ; U1A.8@4196.37,3656.8 4164.39,3656.8 4132.73,3625.15 4196.37,3561.51 4434.82,3561.51 4458.98,3585.68 4573.87,3585.68
  Bottom Layer w10: v1(881.61,3166.57) 881.61,3222.53 958.41,3299.33 v1(1325.69,3299.33)
VIN: L1.1 R17.2 X1.5 X1.6 X2.3 X2.4 | length 571.7
  Top Layer w10: R17.2@256.24,3579.01 256.24,3353.76 360,3250
  Top Layer w20: X1.5@-489.76,2739.8 -489.67,2739.9 -390.1,2739.9 v1(-390,2740)
  Bottom Layer w20: X1.6@-489.76,2739.8 -415.2,2739.8 v1(-415,2740)
  Bottom Layer w30: v1(-415,2740) v1(-390,2740)
VIN_CVN: C5.1 C12.2 C13.2 C14.1 L1.2 R5.1 TP8.1 U2.2 | length 198.1
  Top Layer w10: 966.06,3613.98 1029.95,3677.87 TP8.1@1029.95,3785.62
pads on no net: U2.4 UAA.3 UAA.4 UAA.5 UAA.8 UAB.3 UAB.4 UAB.5 UAB.8 UAC.3 UAC.4 UAC.5 UAC.8 UAD.3 UAD.4 UAD.5 UAD.8 UAE.3 UAE.4 UAE.5 UAE.8 UAF.3 UAF.4 UAF.5 UAF.8 UAG.3 UAG.4 UAG.5 UAG.8 UBA.3 UBA.4 UBA.5 UBA.8 UBB.3 UBB.4 UBB.5 UBB.8 UBC.3 UBC.4 UBC.5 UBC.8 UBD.3 UBD.4 UBD.5 UBD.8 UBE.3 UBE.4 UBE.5 UBE.8 UBF.3 UBF.4 UBF.5 UBF.8 UBG.3 UBG.4 UBG.5 UBG.8 X1.9 X1.10 X1.13 X1.14 X1.79 X1.80 X1.91 X1.92 X1.93 X1.94 X1.95

## Polygon pours and split planes (outlines as drawn)
VCC on Top Layer "TOP_VCC" (solid, pour order 16): 1641.65,3421.65 2141.65,3421.65 2485,3765 2490,3759.62 3584.64,3759.62 3843.5,3759.62 4480.38,3759.62 4539.43,3700.57 4539.43,1001.45 4507.95,975.3 4507.63,175 4539.43,175 4620,175 4620,957.79 4660.04,997.83 4660.04,3812.86 4572.9,3900 1809,3900 1539,3630 1333.73,3630 1300,3596.27 1300,3365 1265,3330 1265,3295 1225.17,3255.17 1225.17,3250 1195,3250 1195,3195 1415,3195
GND on Top Layer "Top Layer-GND" (solid, pour order 27): 1606.12,2561.5 1875.84,2831.22 1875.84,3937.01 1.24,3937.01 1.24,2941.93 -239.09,2941.93 cw(c-239.09,2981.3) -278.46,2981.3 -278.46,3004.92 ccw(c-294.21,3004.92) -294.21,3020.67 -348.54,3020.67 -348.54,2882.87 cw(c-387.91,2882.87) -387.91,2843.5 -584.76,2843.5 -584.76,2561.5
VIN on Top Layer "TOP_VIN" (solid, pour order 21): -430,2843.15 -56.85,2843.15 446.22,3346.22 761.62,3346.22 761.62,3341.47 777.36,3325.73 777.36,3250 776.2,3250 241.2,2715 -430,2715
VIN_CVN on Top Layer "TOP_SW" (solid, pour order 20): 700,3390 1012.35,3389.9 1053.6,3348.65 1053.6,3250 1083.6,3250 1083.6,3380.67 1053.6,3410.67 1053.6,3581.24 1014.83,3620 700,3620
SW on Top Layer "TOP_SW" (solid, pour order 19): 1100,3110 1100,2980 1161.51,2980 1211.51,3030 1420,3030 1420,3110
GND on Bottom Layer "GND_L02_P018" (solid, pour order 18): -0.51,995.08 0,994.57 0,0 146.19,0 4652.47,0 4652.47,3937.01 146.24,3937.01 1.24,3937.01 -0.51,2941.93 -239.09,2941.93 cw(c-239.1,2981.3) -278.46,2981.3 -278.46,3004.92 ccw(c-294.21,3004.92) -294.21,3020.67 -348.54,3020.67 -348.54,2882.87 cw(c-387.91,2882.87) -387.91,2843.5 -584.76,2843.5 -584.76,1952.76 -380.04,1952.76 cw(c-380.04,1905.51) -380.04,1858.27 -584.76,1858.27 -584.76,1093.5 -387.91,1093.5 cw(c-387.91,1054.13) -348.54,1054.13 -348.54,916.34 -294.21,916.34 ccw(c-294.21,932.09) -278.46,932.09 -278.46,955.71 cw(c-239.09,955.71) -239.09,995.08

## Silkscreen, mask and mechanical layers (free items; w line width, h text height)
Top Overlay:
  lines w20: 411.24,3360.5 411.24,3900.5 ; 196.24,3360.5 196.24,3900.5 626.24,3900.5 626.24,3360.5 196.24,3360.5
  text "VIN" at 216.24,3810.5 h50
  text "VCC" at 436.24,3810.5 h50
  text "GND" at 2020.73,3745.34 h60
  text "DIG 01" at 4930.19,3446.61 h100 r90
  text "VCC" at 2019,3225.3 h60
  text "DIG 03" at 4930.19,3045.38 h100 r90
  text "DIG_19" at 2640.59,2953.42 h50 r90
  text "DIG_20" at 2742.27,2953.42 h50 r90
  text "DIG_21" at 2842.27,2953.42 h50 r90
  text "DIG_22" at 2942.27,2953.42 h50 r90
  text "DIG_23" at 3042.27,2953.42 h50 r90
  text "DIG_24" at 3142.27,2953.42 h50 r90
  text "DIG_25" at 3242.27,2953.42 h50 r90
  text "DIG_26" at 3342.27,2953.42 h50 r90
  text "DIG_27" at 3442.27,2953.42 h50 r90
  text "DIG_28" at 3542.27,2953.42 h50 r90
  text "DIG_29" at 3642.27,2953.42 h50 r90
  text "DIG_30" at 3742.27,2953.42 h50 r90
  text "GND" at 183.52,2843.15 h50
  text "VIN" at 356.23,2843.5 h50
  text "DIG 05" at 4930.19,2644.14 h100 r90
  text "DIG 07" at 4930.19,2242.9 h100 r90
  text "DIG 09" at 4930.19,1841.67 h100 r90
  text "DIG_01" at 1319.24,1777.84 h50
  text "DIG_02" at 1851.57,1777.84 h50
  text "DIG_03" at 1319.24,1677.86 h50
  text "DIG_04" at 1851.57,1677.84 h50
  text "DIG_05" at 1319.24,1577.87 h50
  text "DIG_06" at 1851.57,1577.84 h50
  text "DIG_07" at 1319.24,1477.88 h50
  text "DIG_08" at 1851.57,1477.84 h50
  text "DIG 11" at 4930.19,1440.43 h100 r90
  text "DIG_09" at 1319.24,1377.9 h50
  text "DIG_10" at 1843.24,1377.84 h50
  text "DIG_11" at 1319.24,1277.91 h50
  text "DIG_12" at 1843.24,1277.84 h50
  text "DIG_13" at 1319.24,1177.92 h50
  text "DIG_14" at 1843.24,1177.84 h50
  text "DIG_15" at 1319.24,1077.93 h50
  text "DIG_16" at 1843.24,1077.84 h50
  text "DIG 13" at 4930.19,1039.19 h100 r90
  text "DIG_17" at 1319.24,977.95 h50
  text "DIG_18" at 1843.24,977.95 h50
  text "PS_DIG_GPIO_01" at 186.24,648.06 h50
  text "PS_DIG_GPIO_02" at 1143.24,639.9 h50
  text "DIG 15" at 4930.19,637.96 h100 r90
  text "CPLD_DigIn_01" at 186.24,549.17 h50
  text "CPLD_DigOut_01" at 1143.24,541.94 h50
  text "CPLD_DigIn_02" at 186.24,450.28 h50
  text "CPLD_DigOut_02" at 1143.24,443.98 h50
  text "I2C0_SCL" at 186.24,351.39 h50
  text "I2C0_SCA" at 1143.24,346.01 h50
  text "GND" at 186.24,252.5 h50
  text "GND" at 1143.24,248.05 h50
  text "DIG 17" at 4930.19,236.72 h100 r90
Bottom Overlay:
  text "DIG 02" at 4818.79,3700.5 h100 r90
  text "DIG 04" at 4818.79,3300.5 h100 r90
  text "DIG 06" at 4818.79,2900.5 h100 r90
  text "DIG 08" at 4818.79,2500.5 h100 r90
  text "DIG 10" at 4818.79,2096.8 h100 r90
  text "DIG 12" at 4818.79,1696.8 h100 r90
  text "DIG 14" at 4818.79,1296.49 h100 r90
  text "DIG 16" at 4818.79,896.31 h100 r90
  text "DIG 18" at 4818.79,493.93 h100 r90
Mechanical 1:
  lines w10: 146.19,3937.01 5556.73,3937.01 5556.73,0 146.19,0 0,0 0,995.08 -0.51,995.08 -239.09,995.08 ccw(c-239.09,955.71) -278.46,955.71 -278.46,932.09 cw(c-294.21,932.09) -294.21,916.34 -348.54,916.34 -348.54,1054.13 ccw(c-387.91,1054.13) -387.91,1093.5 -554.08,1093.5 -584.76,1093.5 -584.76,1858.27 -554.08,1858.27 -380.04,1858.27 ccw(c-380.04,1905.51) -380.04,1952.76 -554.08,1952.76 -584.76,1952.76 -584.76,2843.5 -554.08,2843.5 -387.91,2843.5 ccw(c-387.91,2882.87) -348.54,2882.87 -348.54,3020.67 -294.21,3020.67 cw(c-294.21,3004.92) -278.46,3004.92 -278.46,2981.3 ccw(c-239.09,2981.3) -239.09,2941.93 -0.51,2941.93 1.24,2941.93 1.24,3937.01 146.24,3937.01

## Dimensions
5556.73,3937.01 to 2013.39,3568.43 on Mechanical 2
5556.73,3937.01 to 2604.05,3543.3 on Mechanical 2
5556.73,0 to 5553.9,161.93 on Mechanical 2
5554.13,3771.5 to 5556.73,3937.01 on Mechanical 2
5753.68,3850.47 to -584.25,2843.5 on Mechanical 2
5559,4027.01 to -582.49,2933.5 on Mechanical 2
5556.73,3937.01 to 1.24,3937.01 on Mechanical 2
5556.73,0 to 5556.73,3937.01 on Mechanical 2

## Text inside footprints (layer, text, board x,y; h text height)
C3: Top Overlay "+" at 1519.32,3489.2 h39.37 r270
C5: Top Overlay "+" at 795.32,3489.2 h39.37 r270
P1: Top Overlay "18" at 1830,935 h50 r270; Top Overlay "17" at 1730,935 h50 r270; Top Overlay "1" at 1730,1915 h50 r270; Top Overlay "2" at 1830,1935 h50 r270
P2: Top Overlay "10" at 1009,224 h50 r270; Top Overlay "9" at 909,224 h50 r270; Top Overlay "1" at 909,764 h50 r270; Top Overlay "2" at 1009,784 h50 r270
Serial1: Mechanical 5 "SerialNr" at 1916.57,754.76 h27.56